# KiCad board Europe-ergo.kicad_pcb (continued)
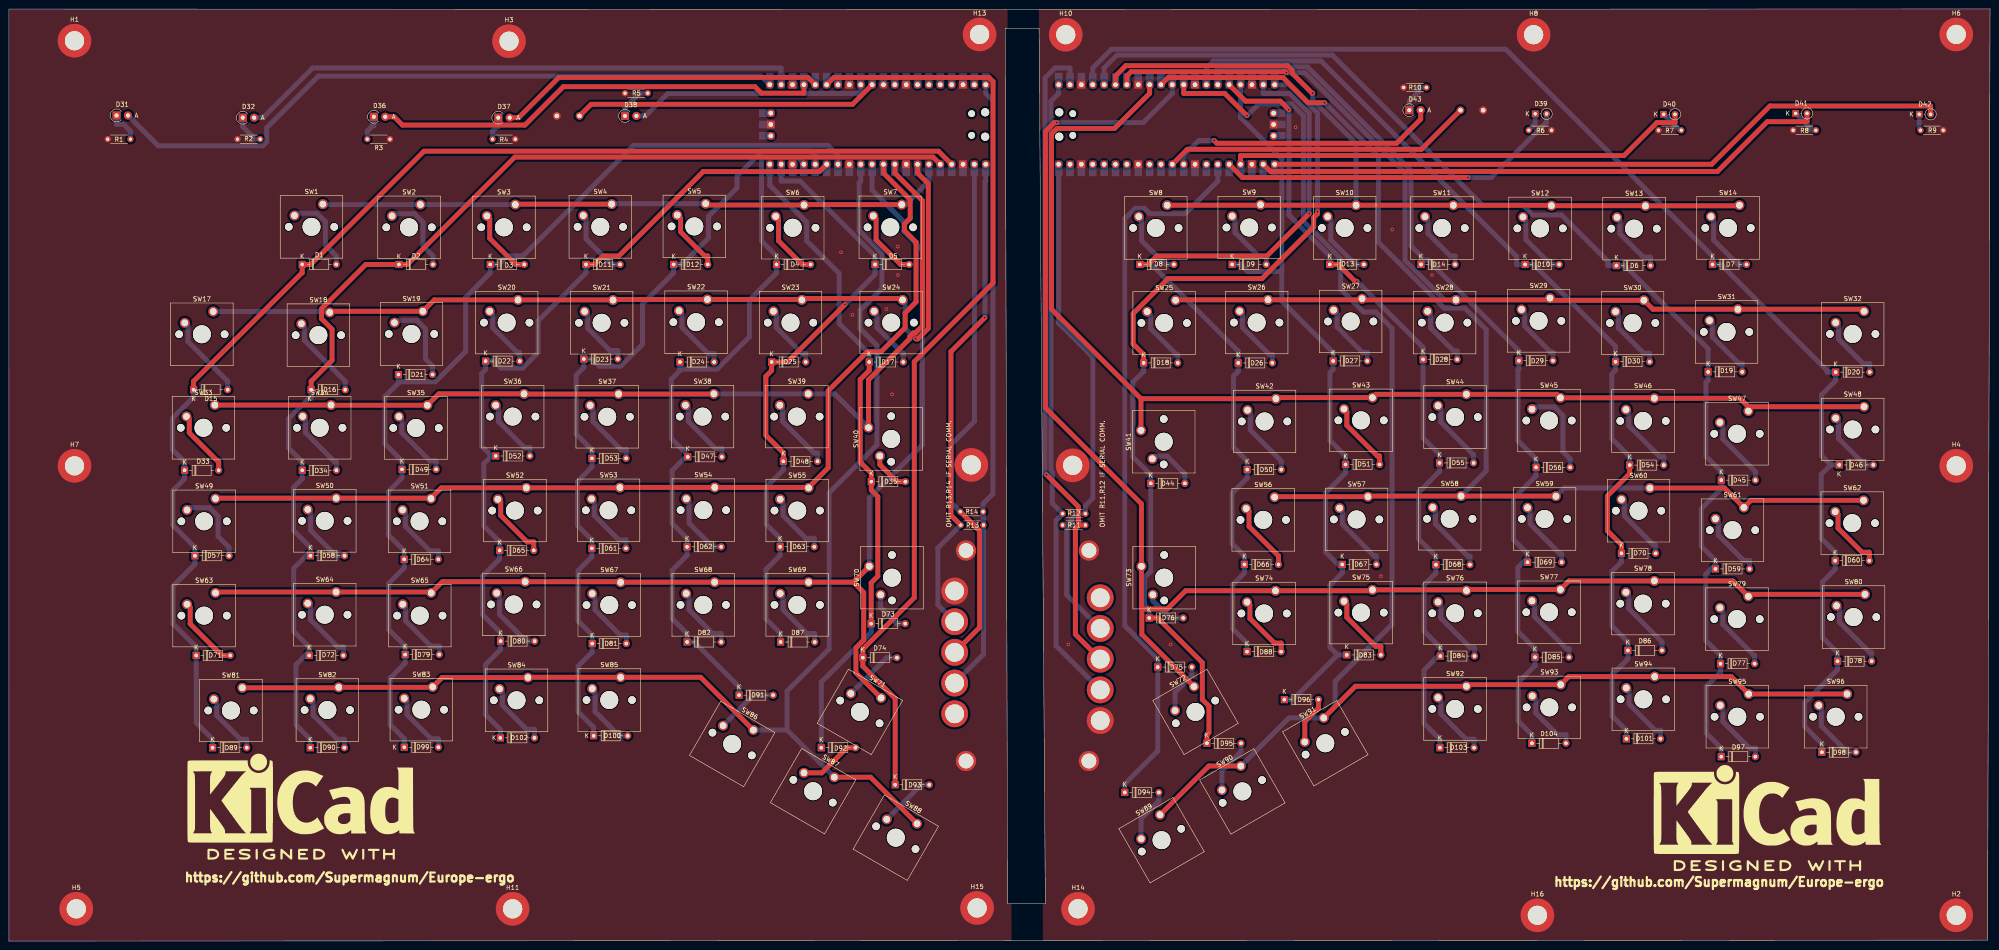
[diagram p0: board, top side]
## Nets
GNDL: H1.1 H3.1 H5.1 H7.1 H9.1 H11.1 H13.1 H15.1 J2.1 J2.6 J2.7 R1.1 R2.1 R3.1 R4.1 R5.1 SW15.2 U1.3 U1.8 U1.13 U1.18 U1.23 U1.28 U1.31 U1.33 U1.38 U1.42
GNDR: H2.1 H4.1 H6.1 H8.1 H10.1 H12.1 H14.1 H16.1 J1.1 J1.6 J1.7 R6.2 R7.2 R8.2 R9.2 R10.1 SW16.2 U2.3 U2.8 U2.13 U2.18 U2.23 U2.28 U2.33 U2.38 U2.42
VCCL: J2.4 R13.2 R14.2 U1.40
VCCR: J1.4 R11.2 R12.2 U2.40
/RUN: SW16.1 U2.30
Arrow-Left: D74.1 D93.1 U1.26
Arrow-Right: D75.1 D94.1 U2.26
COL1: D1.1 D15.1 D33.1 D57.1 D71.1 D89.1 U1.4
COL1R: D7.1 D20.1 D46.1 D60.1 D78.1 D98.1 U2.4
COL2: D2.1 D16.1 D34.1 D58.1 D72.1 D90.1 U1.5
COL2R: D6.1 D19.1 D45.1 D59.1 D77.1 D97.1 U2.5
COL3: D3.1 D21.1 D49.1 D64.1 D79.1 D99.1 U1.14
COL3R: D10.1 D30.1 D54.1 D70.1 D86.1 D101.1 U2.14
COL4: D11.1 D22.1 D52.1 D65.1 D80.1 D102.1 U1.15
COL4R: D14.1 D29.1 D56.1 D69.1 D85.1 D104.1 U2.15
COL5: D12.1 D23.1 D53.1 D61.1 D81.1 D100.1 U1.16
COL5R: D13.1 D28.1 D55.1 D68.1 D84.1 D103.1 U2.16
COL6: D4.1 D24.1 D47.1 D62.1 D82.1 D91.1 U1.17
COL6R: D9.1 D27.1 D51.1 D67.1 D83.1 D96.1 U2.17
COL7: D5.1 D25.1 D48.1 D63.1 D87.1 U1.19
COL7R: D8.1 D26.1 D50.1 D66.1 D88.1 U2.19
COL8: D17.1 D35.1 D73.1 D92.1 U1.20
COL8R: D18.1 D44.1 D76.1 D95.1 U2.20
PWM1: D31.2 U1.21
PWM1R: D42.2 U2.21
PWM2: D32.2 U1.22
PWM2R: D41.2 U2.22
PWM3: D36.2 U1.24
PWM3R: D40.2 U2.24
PWM4: D37.2 U1.25
PWM4R: D39.2 U2.25
PWM5: D38.2 U1.29
PWM5R: D43.2 U2.29
ROW1: SW1.1 SW2.1 SW3.1 SW4.1 SW5.1 SW6.1 SW7.1 U1.6
ROW1R: SW8.1 SW9.1 SW10.1 SW11.1 SW12.1 SW13.1 SW14.1 U2.6
ROW2: SW17.1 SW18.1 SW19.1 SW20.1 SW21.1 SW22.1 SW23.1 SW24.1 U1.7
ROW2R: SW25.1 SW26.1 SW27.1 SW28.1 SW29.1 SW30.1 SW31.1 SW32.1 U2.7
ROW3: SW33.1 SW34.1 SW35.1 SW36.1 SW37.1 SW38.1 SW39.1 SW40.1 U1.9
ROW3R: SW41.1 SW42.1 SW43.1 SW44.1 SW45.1 SW46.1 SW47.1 SW48.1 U2.9
ROW4: SW49.1 SW50.1 SW51.1 SW52.1 SW53.1 SW54.1 SW55.1 U1.10
ROW4R: SW56.1 SW57.1 SW58.1 SW59.1 SW60.1 SW61.1 SW62.1 U2.10
ROW5: SW63.1 SW64.1 SW65.1 SW66.1 SW67.1 SW68.1 SW69.1 SW70.1 SW71.1 U1.11
ROW5R: SW72.1 SW73.1 SW74.1 SW75.1 SW76.1 SW77.1 SW78.1 SW79.1 SW80.1 U2.11
ROW6: SW81.1 SW82.1 SW83.1 SW84.1 SW85.1 SW86.1 SW87.1 SW88.1 U1.12
ROW6R: SW89.1 SW90.1 SW91.1 SW92.1 SW93.1 SW94.1 SW95.1 SW96.1 U2.12
SCL I2C0: J2.3 R14.1 U1.2
sclR: J1.3 R11.1 U2.2
SDA I2C0: J2.2 R13.1 U1.1
sdaR: J1.2 R12.1 U2.1
Net-(D1-A): D1.2 SW1.2
Net-(D2-A): D2.2 SW2.2
Net-(D3-A): D3.2 SW3.2
Net-(D4-A): D4.2 SW6.2
Net-(D5-A): D5.2 SW7.2
Net-(D6-A): D6.2 SW13.2
Net-(D7-A): D7.2 SW14.2
Net-(D8-A): D8.2 SW8.2
Net-(D9-A): D9.2 SW9.2
Net-(D10-A): D10.2 SW12.2
Net-(D11-A): D11.2 SW4.2
Net-(D12-A): D12.2 SW5.2
Net-(D13-A): D13.2 SW10.2
Net-(D14-A): D14.2 SW11.2
Net-(D15-A): D15.2 SW17.2
Net-(D16-A): D16.2 SW18.2
Net-(D17-A): D17.2 SW24.2
Net-(D18-A): D18.2 SW25.2
Net-(D19-A): D19.2 SW31.2
Net-(D20-A): D20.2 SW32.2
Net-(D21-A): D21.2 SW19.2
Net-(D22-A): D22.2 SW20.2
Net-(D23-A): D23.2 SW21.2
Net-(D24-A): D24.2 SW22.2
Net-(D25-A): D25.2 SW23.2
Net-(D26-A): D26.2 SW26.2
Net-(D27-A): D27.2 SW27.2
Net-(D28-A): D28.2 SW28.2
Net-(D29-A): D29.2 SW29.2
Net-(D30-A): D30.2 SW30.2
Net-(D31-K): D31.1 R1.2
Net-(D32-K): D32.1 R2.2
Net-(D33-A): D33.2 SW33.2
Net-(D34-A): D34.2 SW34.2
Net-(D35-A): D35.2 SW40.2
Net-(D36-K): D36.1 R3.2
Net-(D37-K): D37.1 R4.2
Net-(D38-K): D38.1 R5.2
Net-(D39-K): D39.1 R6.1
Net-(D40-K): D40.1 R7.1
Net-(D41-K): D41.1 R8.1
Net-(D42-K): D42.1 R9.1
Net-(D43-K): D43.1 R10.2
Net-(D44-A): D44.2 SW41.2
Net-(D45-A): D45.2 SW47.2
Net-(D46-A): D46.2 SW48.2
Net-(D47-A): D47.2 SW38.2
Net-(D48-A): D48.2 SW39.2
Net-(D49-A): D49.2 SW35.2
Net-(D50-A): D50.2 SW42.2
Net-(D51-A): D51.2 SW43.2
Net-(D52-A): D52.2 SW36.2
Net-(D53-A): D53.2 SW37.2
Net-(D54-A): D54.2 SW46.2
Net-(D55-A): D55.2 SW44.2
Net-(D56-A): D56.2 SW45.2
Net-(D57-A): D57.2 SW49.2
Net-(D58-A): D58.2 SW50.2
Net-(D59-A): D59.2 SW61.2
Net-(D60-A): D60.2 SW62.2
Net-(D61-A): D61.2 SW53.2
Net-(D62-A): D62.2 SW54.2
Net-(D63-A): D63.2 SW55.2
Net-(D64-A): D64.2 SW51.2
Net-(D65-A): D65.2 SW52.2
Net-(D66-A): D66.2 SW56.2
Net-(D67-A): D67.2 SW57.2
Net-(D68-A): D68.2 SW58.2
Net-(D69-A): D69.2 SW59.2
Net-(D70-A): D70.2 SW60.2
Net-(D71-A): D71.2 SW63.2
Net-(D72-A): D72.2 SW64.2
Net-(D73-A): D73.2 SW70.2
Net-(D74-A): D74.2 SW71.2
Net-(D75-A): D75.2 SW72.2
Net-(D76-A): D76.2 SW73.2
Net-(D77-A): D77.2 SW79.2
Net-(D78-A): D78.2 SW80.2
Net-(D79-A): D79.2 SW65.2
Net-(D80-A): D80.2 SW66.2
Net-(D81-A): D81.2 SW67.2
Net-(D82-A): D82.2 SW68.2
Net-(D83-A): D83.2 SW75.2
Net-(D84-A): D84.2 SW76.2
Net-(D85-A): D85.2 SW77.2
Net-(D86-A): D86.2 SW78.2
Net-(D87-A): D87.2 SW69.2
Net-(D88-A): D88.2 SW74.2
Net-(D89-A): D89.2 SW81.2
Net-(D90-A): D90.2 SW82.2
Net-(D91-A): D91.2 SW86.2
Net-(D92-A): D92.2 SW87.2
Net-(D93-A): D93.2 SW88.2
Net-(D94-A): D94.2 SW89.2
Net-(D95-A): D95.2 SW90.2
Net-(D96-A): D96.2 SW91.2
Net-(D97-A): D97.2 SW95.2
Net-(D98-A): D98.2 SW96.2
Net-(D99-A): D99.2 SW83.2
Net-(D100-A): D100.2 SW85.2
Net-(D101-A): D101.2 SW94.2
Net-(D102-A): D102.2 SW84.2
Net-(D103-A): D103.2 SW92.2
Net-(D104-A): D104.2 SW93.2
Net-(U1-RUN): SW15.1 U1.30

Pads without a net: J1 5; J2 5; U1 27 32 34 35 36 37 39 41 43; U2 27 31 32 34 35 36 37 39 41 43

## Via types
v1: diameter 0.8, hole 0.4, Top to Bottom, 27 vias

## Routing (per net, layer and track width the routed paths; a pad name or vN(x,y) marks a point on that pad's centre or on a via; arc(x,y) is an arc through that point)
GNDL:
  vias: v1(185.93,153.92) v1(188.47,139.95) v1(196.09,141.22) v1(197.36,122.17) v1(198.63,155.19) v1(198.63,148.84)
GNDR:
  vias: v1(236.73,66.29) v1(259.59,66.29) v1(287.53,181.86) v1(306.58,81.53) v1(309.12,159) v1(318.01,148.84)
VCCL: length 138
  Bottom w1.1: J2.4 217.77,64.09 R13.2 217.77,94.76 217.68,94.85 R14.2 217.68,97.74 219.88,99.95 219.88,187.82 218.28,189.42 U1.40
VCCR: length 114.9
  Bottom w1.1: 236.36,92.96 237.26,92.96 237.26,94.02 238.74,95.5 R12.2 240.54,97.3 242.21,98.98 242.21,130.47 234.57,138.11 U2.40 ; 236.36,92.96 R11.2 ; 236.36,92.96 236.36,77.35 J1.4
/RUN: length 69.4
  Top w1.1: U2.30 263.32,176.94 315.62,176.94 SW16.1
Arrow-Left: length 210.4
  Top w1.1: D93.1 198.04,54.19 190.81,61.42 D74.1 190.81,65.22 202.31,76.72 202.31,129.47 219.91,147.07 219.91,192.07 218.98,192.99 184.34,192.99 U1.26
Arrow-Right: length 163.4
  Bottom w1.1: U2.26 270.13,169.84 262.83,162.54 254.97,162.54 253.74,163.77 251.69,163.77 249.34,161.42 249.34,70.5 256.71,63.13 D75.1 256.71,42.47 249.34,35.1 D94.1
COL1: length 287
  Top w1.1: D15.1 41.26,125.1 65.46,149.3 65.53,149.3 D1.1 67.43,151.2 92.74,176.52 207.73,176.52 U1.4
  Bottom w1.1: D15.1 41.26,121.3 41.02,121.3 36.51,116.79 36.51,109.84 39.25,107.1 D33.1 39.25,103.3 36.62,100.68 36.62,92.94 41.56,88 D57.1 41.56,84.2 36.67,79.32 36.67,70.9 41.85,65.72 D71.1 41.85,48.76 45.51,45.1 D89.1
COL1R: length 301.1
  Bottom w1.1: 407.1,106.4 405.04,108.46 405.04,122.09 408.19,125.24 D20.1 406.29,127.14 406.29,127.48 382.57,151.2 D7.1 380.67,153.1 334.46,199.31 246.38,199.31 242.19,195.12 U2.4 ; 407.1,106.4 D46.1 ; 407.1,106.4 404.97,104.27 404.97,90.02 408.09,86.9 D60.1 408.09,83.1 405.25,80.26 405.25,67.82 408.62,64.44 D78.1 408.62,60.64 401.26,53.28 401.26,47.96 405.12,44.1 D98.1
COL2: length 267.4
  Top w1.1: U1.5 206.5,175.2 113.05,175.2 89.05,151.2 D2.1 79.75,151.2 69.83,141.29 69.83,139.09 72.2,136.72 72.2,129.78 67.53,125.1 D16.1
  Bottom w1.1: 67.37,87.05 63.62,83.31 63.62,69.21 67.11,65.72 67.11,64.74 ; 67.37,87.05 67.37,88 63.6,91.77 63.6,101.36 65.55,103.3 D34.1 65.55,107.1 62.5,110.15 62.5,116.75 67.05,121.3 67.53,121.3 D16.1 ; 67.37,87.05 D58.1 ; 67.11,64.74 64.14,61.76 64.14,48.31 67.34,45.1 D90.1 ; 67.11,64.74 D72.1
COL2R: length 269.6
  Bottom w1.1: D59.1 381.34,84.11 ; 381.34,84.11 381.34,85.06 378.15,88.25 378.15,96.61 382.65,101.1 D45.1 382.65,104.9 379.21,108.34 379.21,124.8 379.71,125.3 D19.1 379.71,132.33 361.1,150.94 D6.1 357.3,150.94 357.3,151.89 346.93,162.27 340.5,162.27 338.32,164.44 329.28,164.44 295.72,198 247.61,198 244.73,195.12 U2.5 ; 381.34,84.11 379.16,81.94 379.16,67.19 382.47,63.88 D77.1 382.47,60.08 379.28,56.89 379.28,46.47 382.64,43.1 D97.1
COL3: length 226
  Bottom w1.1: 87.05,125.65 87.05,124.7 84,121.65 84,111.15 87.84,107.3 D49.1 87.84,103.5 84.81,100.48 84.81,90.72 88.33,87.2 D64.1 88.33,83.4 84.85,79.93 84.85,69.61 88.54,65.92 D79.1 88.54,62.12 85.18,58.76 85.18,48.38 88.35,45.2 D99.1 ; 87.05,125.65 87.72,124.98 95.28,124.98 102.06,131.77 102.06,143.82 107.55,149.3 D3.1 109.45,151.2 111.35,153.1 114.88,153.1 139.58,177.81 182.99,177.81 185.26,175.54 U1.14 ; 87.05,125.65 D21.1
COL3R: length 221.5
  Top w1.1: D54.1 362.17,104.46 357.18,99.48 357.18,91.69 360.34,88.54 D70.1
  Bottom w1.1: D101.1 361.44,47.1 358.24,50.3 358.24,59.52 361.77,63.04 D86.1 361.77,66.84 358.21,70.4 358.21,82.61 360.34,84.74 D70.1 ; D54.1 362.17,108.26 358.17,112.26 358.17,126.72 359.01,127.56 D30.1 359.01,132.89 340.7,151.2 D10.1 336.9,151.2 336.9,152.99 293.21,196.67 269.14,196.67 267.59,195.12 U2.14
COL4: length 195.6
  Top w1.1: U1.15 181.09,171.96 155.13,171.96 136.28,153.1 132.75,153.1 130.85,151.2 D11.1
  Bottom w1.1: 107.83,108.4 106.11,106.68 106.11,92.75 109.66,89.2 D65.1 109.66,85.4 105.86,81.6 105.86,72.92 109.85,68.92 D80.1 109.85,65.12 106.48,61.76 106.48,50.63 109.81,47.3 D102.1 ; 107.83,108.4 D52.1 ; 107.83,108.4 105.64,110.6 105.64,126.83 106.51,127.7 D22.1 108.41,129.6 109.98,128.04 114.76,128.04 118.26,131.53 118.26,138.62 128.95,149.3 D11.1
COL4R: length 207.9
  Bottom w1.1: 315.54,152.15 315.54,153.1 313.29,155.35 313.29,172.21 290.15,195.35 270.36,195.35 270.13,195.12 U2.15 ; 315.54,152.15 D14.1 ; 315.54,152.15 317.15,152.15 337.41,131.9 D29.1 337.41,127.8 337.19,127.58 337.19,111.82 341.25,107.76 D56.1 341.25,103.96 336.21,98.92 336.21,89.71 339.35,86.56 339.35,85.61 ; 339.35,85.61 D69.1 ; 339.35,85.61 337.17,83.43 337.17,69.18 341.01,65.34 D85.1 341.01,61.54 337.25,57.79 337.25,49.17 340.32,46.1 D104.1
COL5: length 179.8
  Bottom w1.1: U1.16 180.18,175.54 179.21,176.5 168.26,176.5 162.7,170.94 162.7,168.32 156.32,161.94 156.32,157.1 150.43,151.2 D12.1 148.53,149.3 141.58,142.35 141.58,133.35 136.7,128.47 131.94,128.47 130.35,130.06 D23.1 128.45,128.16 126.75,126.47 126.75,113.3 130.29,109.76 D53.1 130.29,105.96 127.04,102.71 127.04,92.89 130.26,89.66 D61.1 130.26,85.86 127.18,82.79 127.18,71.54 130.34,68.38 D81.1 130.34,64.58 127.19,61.43 127.19,51.22 130.65,47.76 D100.1
COL5R: length 183.2
  Top w1.1: v1(301.21,147.46) 300.79,147.46 297.05,151.2 D13.1 ; U2.16 276.34,187.7 284.1,187.7 v1(286.02,185.79)
  Bottom w1.1: v1(301.21,147.46) 316.01,132.66 D28.1 316.01,112.4 319.67,108.74 D55.1 319.67,104.94 315.02,100.3 315.02,89.84 318.86,86 D68.1 318.86,82.2 316.2,79.55 316.2,69.25 319.87,65.58 319.87,64.19 ; D103.1 319.77,45.1 316.2,48.67 316.2,60.53 319.87,64.19 ; D84.1 319.87,64.19 ; D13.1 295.15,153.1 286.02,162.24 v1(286.02,185.79)
COL6: length 161.2
  Bottom w1.1: D24.1 149.95,127.98 ; 151.69,108.62 148,112.31 148,125.55 149.95,127.5 149.95,127.98 ; 151.69,108.62 148.18,105.12 148.18,93.36 151.54,90 D62.1 151.54,86.2 148.2,82.87 148.2,72.05 151.53,68.72 D82.1 153.43,66.82 153.43,66.57 163.15,56.85 D91.1 ; 151.69,108.62 D47.1 ; 149.95,127.98 150.09,127.83 158.28,127.83 165.46,135.01 165.46,143.23 171.53,149.3 D4.1 171.53,153.1 168.16,156.48 168.16,174.49 168.86,175.19 176.26,175.19 177.64,173.81 U1.17
COL6R: length 173.7
  Bottom w1.1: 296.89,63.94 295.2,65.64 295.2,79.51 297.95,82.26 297.95,83.21 ; 296.89,63.94 D83.1 ; 296.89,63.94 286.91,53.96 D96.1 ; 297.95,83.21 D67.1 ; 297.95,83.21 294.21,86.95 294.21,100.15 298.67,104.6 D51.1 298.67,108.4 295.19,111.88 295.19,127.02 295.91,127.74 D27.1 295.91,131.54 284.42,143.03 284.42,149.63 ; D9.1 275.24,151.2 276.81,149.63 284.42,149.63 ; 284.42,149.63 284.43,149.64 284.43,174.83 275.21,184.05 U2.17
COL7: length 137.3
  Top w1.1: D48.1 173.07,109.1 169.14,113.04 169.14,126.21 170.43,127.5 D25.1 173.95,129.4 v1(186.84,142.29)
  Bottom w1.1: v1(186.84,142.29) 193.53,148.98 D5.1 193.53,153.1 176.79,169.84 172.56,169.84 U1.19 ; D48.1 173.07,105.3 169.21,101.45 169.21,93.13 172.34,90 D63.1 172.34,86.2 169.16,83.02 169.16,71.99 172.43,68.72 D87.1
COL7R: length 182.9
  Top w1.1: D8.1 254.6,151.2 256.5,153.1 281.1,153.1 v1(290.55,162.56)
  Bottom w1.1: v1(290.55,162.56) 290.55,185.01 286.14,189.42 280.29,189.42 U2.19 ; D8.1 255.31,151.2 274.71,131.81 D26.1 274.71,127.3 273.65,126.24 273.65,110.32 276.7,107.26 D50.1 276.7,103.46 273.32,100.08 273.32,88.82 276.08,86.06 D66.1 276.08,82.26 273.47,79.66 273.47,69.77 276.67,66.58 D88.1
COL8: length 147.3
  Top w1.1: D73.1 192.67,80.05 194.16,81.54 194.16,99.32 192.71,100.76 D35.1 192.71,104.56 190.22,107.06 190.22,125.49 192.23,127.5 D17.1
  Bottom w1.1: D17.1 192.23,131.3 185.53,138 185.53,149.2 178.26,156.47 178.26,160.66 170.02,168.9 U1.20 ; D73.1 192.67,69.02 181.53,57.88 D92.1
COL8R: length 193.9
  Top w1.1: v1(292.41,163.01) 292.41,162.54 291.56,161.69 291.56,159.6 280.01,148.05 259.02,148.05 251.21,140.24 251.21,133.44 253.56,131.1 D18.1 ; D76.1 256.69,72.2 266.67,62.22 266.67,53.96 268.15,52.48 268.15,46.56 267.7,46.1 D95.1
  Bottom w1.1: D76.1 254.79,74.1 253.71,75.18 253.71,81.2 255.15,82.63 D44.1 255.15,104.18 251.12,108.22 251.12,124.86 253.56,127.3 D18.1 ; U2.20 286.07,191.37 292.41,185.03 v1(292.41,163.01)
PWM1: length 155.3
  Bottom w1.1: D31.2 33.37,177.72 56.71,177.72 57.6,178.6 57.6,181.75 69.14,193.29 168.09,193.29 U1.21
PWM1R: length 153.8
  Top w1.1: U2.21 380.47,173.59 393.49,186.61 429.42,186.61 D42.2
PWM2: length 126.1
  Bottom w1.1: U1.22 172.56,195.12 67.9,195.12 56.79,184 D32.2
PWM2R: length 128.6
  Top w1.1: D41.2 401.8,183.11 392.92,183.11 381.79,171.99 281.89,171.99 U2.22
PWM3: length 100.4
  Top w1.1: D36.2 86.09,184.2 87.94,182.35 115.3,182.35 123.88,190.94 166.7,190.94 168.15,189.48 177.64,189.48 U1.24
PWM3R: length 103.9
  Top w1.1: D40.2 372.3,182.91 368.26,182.91 360.88,175.54 275.21,175.54 U2.24
PWM4: length 72.7
  Top w1.1: D37.2 113.89,184 122.89,193 178.55,193 U1.25
PWM4R: length 79.1
  Top w1.1: v1(326.03,170.64) 275.62,170.64 U2.25
  Bottom w1.1: v1(326.03,170.64) 331.22,170.64 343.6,183.01 D39.2
PWM5: length 54.2
  Bottom w1.1: D38.2 142.21,184.4 147.22,189.42 190.34,189.42 U1.29
PWM5R: length 60.8
  Top w1.1: D43.2 315.47,183.67 310.08,178.28 269.93,178.28 v1(269.3,178.91)
  Bottom w1.1: v1(269.3,178.91) 265.88,178.91 262.51,175.54 U2.29
ROW1: length 141.6
  Top w1.1: SW5.1 155.99,164.48 SW6.1 177.79,164.58 SW7.1 ; SW3.1 113.25,164.68 SW4.1
  Bottom w1.1: SW3.1 SW2.1 70.25,164.58 SW1.1 ; SW7.1 200.32,164.58 205.58,169.84 U1.6 ; SW5.1 134.79,164.78 SW4.1
ROW1R: length 207.1
  Top w1.1: SW8.1 279.59,164.44 SW9.1 279.79,164.44 SW10.1 322.75,164.44 SW11.1 344.61,164.42 SW12.1 365.66,164.34 365.69,164.31 ; U2.6 247.27,193.32 249.59,195.64 285.72,195.64 286.76,194.59 286.76,193.92 291.2,189.48 v1(291.34,189.48) ; 365.69,164.31 SW13.1 ; 365.69,164.31 386.56,164.31 SW14.1
  Bottom w1.1: v1(291.34,189.48) 291.34,187.94 301.03,178.25 SW10.1
ROW2: length 207
  Top w1.1: SW18.1 71.95,140.74 SW19.1 95.04,143.28 SW20.1 134.95,143.28 SW21.1 135.13,143.38 SW22.1 177.09,143.38 SW23.1 177.51,143.6 199.37,143.6 SW24.1 ; U1.7 203.04,171.64 205.45,169.23 205.45,136.94 203.08,134.58 v1(202.61,134.58)
  Bottom w1.1: SW18.1 71.49,140.68 SW17.1 ; SW24.1 200.26,142.71 200.26,136.92 v1(202.61,134.58)
ROW2R: length 264
  Top w1.1: SW25.1 260.79,143.3 SW26.1 302.12,143.3 SW27.1 302.62,143.28 SW28.1 343.97,143.28 SW29.1 344.83,143.2 SW30.1 367.36,141.2 SW31.1 414.08,141.2 SW32.1 ; U2.7 249.81,193.32 250.77,194.28 285.23,194.28 v1(285.46,194.05)
  Bottom w1.1: SW28.1 320.79,143.28 311.99,152.09 311.99,171.67 289.61,194.05 v1(285.46,194.05)
ROW3: length 217
  Top w1.1: U1.9 197.96,171.64 204.13,165.47 204.13,137.47 202.54,135.88 202.07,135.88 201.31,135.12 201.31,134.64 192.07,125.4 SW40.1 ; SW33.1 SW34.1 72.03,119.74 SW35.1 96.04,122.28 SW36.1 115.15,122.24 SW37.1 157.49,122.24 SW38.1
  Bottom w1.1: SW40.1 184.53,122.28 SW39.1 SW38.1
ROW3R: length 266.2
  Top w1.1: 252.97,121.2 SW42.1 283.36,121.44 SW43.1 305.43,122.18 SW44.1 345.91,122.18 SW45.1 367.59,121.4 SW46.1 386.79,121.3 388.69,119.4 ; 252.97,121.2 SW41.1 ; 252.97,121.2 232.96,141.22 232.96,180.35 234.21,181.61 247.08,181.61 254.89,189.42 U2.9 ; 388.69,119.4 SW47.1 ; 388.69,119.4 SW48.1
ROW4: length 221.8
  Top w1.1: 178.69,101.38 183.06,105.75 183.06,122.95 191.8,131.7 194.89,131.7 200.26,137.07 200.26,140.38 202.7,142.82 202.7,156.18 200.12,158.76 200.12,160.27 201.4,161.55 201.4,165.66 195.42,171.64 U1.10 ; 178.69,101.38 SW54.1 136.57,101.38 SW53.1 136.47,101.28 SW52.1 96.6,101.28 94.3,98.98 ; 178.69,101.38 SW55.1 ; 94.3,98.98 SW50.1 46.25,98.98 SW49.1 ; 94.3,98.98 SW51.1
ROW4R: length 282.4
  Top w1.1: SW59.1 345.65,99.44 SW58.1 303.83,99.44 SW57.1 282.92,99.3 SW56.1 ; SW60.1 383.35,101.24 SW61.1 389.27,98.48 SW62.1 ; U2.10 259.04,192.98 284.69,192.98 290.33,187.34 v1(294.01,187.34)
  Bottom w1.1: v1(294.01,187.34) 306.02,175.34 306.02,156.16 320.75,141.43 325.34,141.43 330.11,136.66 330.11,105.06 SW58.1 ; SW59.1 347.53,101.24 SW60.1
ROW5: length 278.1
  Top w1.1: SW63.1 46.35,78 SW64.1 94.15,78 SW65.1 96.85,80.3 SW66.1 136.55,80.3 SW67.1 136.73,80.2 SW68.1 SW69.1 188.71,80.2 ; SW71.1 189.26,59.96 189.26,65.51 191.01,67.26 191.01,77.9 188.71,80.2 ; 188.71,80.2 SW70.1
  Bottom w1.1: U1.11 192.88,167.84 199.95,160.76 199.95,158.55 204.1,154.41 204.1,110.88 192.25,99.03 SW70.1
ROW5R: length 337.5
  Top w1.1: SW80.1 389.15,77.48 SW79.1 385.23,80.48 SW78.1 348.61,80.48 SW77.1 325.93,78.56 SW76.1 325.53,78.48 SW75.1 304.49,78.28 SW74.1 262.93,78.28 258.87,74.22 253.16,74.22 ; v1(234.14,182.91) 233.62,182.91 231.62,180.91 231.62,119.14 253.07,97.7 SW73.1 253.07,74.31 253.16,74.22 ; 253.16,74.22 253.16,68.52 SW72.1
  Bottom w1.1: U2.11 259.97,189.42 253.46,182.91 v1(234.14,182.91)
ROW6: length 305.9
  Top w1.1: SW87.1 192.53,36.61 SW88.1 ; SW81.1 73.59,56.6 SW82.1 94.61,56.7 SW83.1 96.79,58.88 SW84.1 116.03,58.94 SW85.1 154.57,58.94 SW86.1
  Bottom w1.1: SW86.1 173.88,47.16 ; 173.88,47.16 SW87.1 ; 173.88,47.16 173.88,55.87 183.28,65.27 183.28,100.21 193.96,110.89 193.96,133.1 190.19,136.86 190.19,140.97 195.08,145.85 195.08,153.67 189.98,158.77 189.98,169.48 190.34,169.84 U1.12
ROW6R: length 351.6
  Top w1.1: U2.12 262.51,189.42 271.68,189.42 v1(276.65,184.45) ; SW91.1 300.88,56.94 SW92.1 326.05,57.3 SW93.1 348.56,59.1 SW94.1 384.86,59.1 SW95.1 SW96.1 ; SW90.1 268.12,39.11 SW89.1
  Bottom w1.1: v1(276.65,184.45) 279.32,187.11 286.58,187.11 289.25,184.44 289.25,160.87 297.58,152.53 297.58,145.69 302.7,140.58 305.4,140.58 309.08,136.9 309.08,70.77 296.35,58.04 296.35,52.41 SW91.1 286.04,49.87 SW90.1
SCL I2C0: length 116.2
  Top w1.1: R14.1 216.9,91.64 216.9,70.09 J2.3
  Bottom w1.1: U1.2 215.74,116.14 210.54,110.95 210.54,98 R14.1
sclR: length 147.4
  Top w1.1: J1.3 238.3,68.55 238.3,92.29 238.98,92.96 ; v1(231.85,104.2) 238.98,97.08 238.98,92.96 ; 238.98,92.96 R11.1
  Bottom w1.1: v1(231.85,104.2) 231.53,104.52 231.53,192.9 233.75,195.12 237.11,195.12 U2.2
SDA I2C0: length 110
  Top w1.1: v1(218.08,139.32) 210.49,131.73 210.49,95.16 R13.1
  Bottom w1.1: v1(218.08,139.32) 218.08,169.65 218.28,169.84 U1.1 ; R13.1 207.57,87.85 207.57,75.13 J2.2
sdaR: length 141.7
  Bottom w1.1: J1.2 233.99,66 233.99,94.04 R12.1 233.15,97.81 233.15,104.74 232.83,105.06 232.83,187.69 234.57,189.42 U2.1
Net-(D1-A): length 18.5
  Bottom w1.1: SW1.2 64.3,162.65 68.82,162.65 70.72,160.74 70.72,155.53 73.15,153.1 D1.2
Net-(D2-A): length 18.3
  Bottom w1.1: SW2.2 86.1,162.55 90.62,162.55 92.52,160.64 92.52,155.35 94.77,153.1 D2.2
Net-(D3-A): length 15.4
  Top w1.1: SW3.2 107.43,161.41 107.43,157.04 113.27,151.2 D3.2
Net-(D4-A): length 15.1
  Top w1.1: SW6.2 171.97,161.31 171.97,156.48 177.25,151.2 D4.2
Net-(D5-A): length 15.3
  Top w1.1: D5.2 199.25,151.2 193.77,156.68 193.77,161.41 SW7.2
Net-(D6-A): length 14.8
  Bottom w1.1: SW13.2 359.97,161.11 359.97,158.07 365.2,152.84 366.82,152.84 D6.2
Net-(D7-A): length 15.1
  Bottom w1.1: SW14.2 380.92,161.32 380.92,156.67 386.39,151.2 D7.2
Net-(D8-A): length 15.1
  Bottom w1.1: SW8.2 253.1,161.27 253.1,156.52 258.42,151.2 D8.2
Net-(D9-A): length 15
  Bottom w1.1: D9.2 280.96,153.1 279.2,153.1 273.97,158.33 273.97,161.37 SW9.2
Net-(D10-A): length 15.1
  Bottom w1.1: SW12.2 338.97,161.17 338.97,156.75 344.52,151.2 D10.2
Net-(D11-A): length 15.5
  Bottom w1.1: SW4.2 128.97,161.51 128.97,156.9 134.67,151.2 D11.2
Net-(D12-A): length 14.3
  Top w1.1: D12.2 156.15,153.1 155.46,153.1 150.08,158.48 150.08,161.5 SW5.2
Net-(D13-A): length 15.2
  Bottom w1.1: D13.2 300.87,151.2 295.37,156.7 295.37,161.21 SW10.2
Net-(D14-A): length 14.1
  Bottom w1.1: D14.2 323.16,153.1 322.09,153.1 317.11,158.08 317.11,161.19 SW11.2
Net-(D15-A): length 18.9
  Bottom w1.1: D15.2 48.88,125.1 39.99,133.99 39.99,137.45 SW17.2
Net-(D16-A): length 18.8
  Bottom w1.1: D16.2 75.15,125.1 66.03,134.22 66.03,137.25 SW18.2
Net-(D17-A): length 14.1
  Bottom w1.1: D17.2 199.85,131.3 199.77,131.3 193.97,137.1 193.97,140.11 SW24.2
Net-(D18-A): length 14.5
  Bottom w1.1: SW25.2 255.11,139.89 255.11,136.87 260.88,131.1 261.18,131.1 D18.2
Net-(D19-A): length 15
  Bottom w1.1: D19.2 387.33,129.1 386.54,129.1 380.64,135 380.64,138.03 SW31.2
Net-(D20-A): length 15.1
  Bottom w1.1: SW32.2 408.83,137.57 408.83,134.54 414.33,129.04 415.81,129.04 D20.2
Net-(D21-A): length 18.8
  Bottom w1.1: D21.2 94.67,128.5 93.07,130.1 93.07,136.8 91.17,138.71 86.65,138.71 SW19.2
Net-(D22-A): length 14.2
  Bottom w1.1: SW20.2 108.11,140.05 108.11,137.03 113.64,131.5 114.13,131.5 D22.2
Net-(D23-A): length 14.7
  Bottom w1.1: D23.2 136.07,131.96 134.31,131.96 129.33,136.94 129.33,140.01 SW21.2
Net-(D24-A): length 15.5
  Bottom w1.1: D24.2 157.57,131.3 156.22,131.3 150.37,137.16 150.37,140.21 SW22.2
Net-(D25-A): length 14.8
  Bottom w1.1: SW23.2 171.47,140.11 171.47,137.09 177.26,131.3 178.05,131.3 D25.2
Net-(D26-A): length 15
  Bottom w1.1: SW26.2 275.64,140.14 275.64,137.1 281.64,131.1 282.33,131.1 D26.2
Net-(D27-A): length 15.1
  Bottom w1.1: D27.2 303.53,131.54 302.46,131.54 296.79,137.22 296.79,140.23 SW27.2
Net-(D28-A): length 14
  Bottom w1.1: D28.2 323.63,131.88 322.84,131.88 317.7,137.02 317.7,140.05 SW28.2
Net-(D29-A): length 14.6
  Bottom w1.1: D29.2 345.03,131.6 344.54,131.6 338.71,137.43 338.71,140.43 SW29.2
Net-(D30-A): length 15.1
  Bottom w1.1: D30.2 366.63,131.36 365.28,131.36 359.64,137 359.64,140.03 SW30.2
Net-(D31-K): length 7.5
  Bottom w1.1: D31.1 24.05,182.5 25.65,182.5 27.15,181 R1.2
Net-(D32-K): length 7.5
  Bottom w1.1: R2.2 54.35,179.2 54.35,179.9 52.25,182 D32.1
Net-(D33-A): length 15.1
  Top w1.1: D33.2 46.87,107.1 46.77,107.1 40.29,113.58 40.29,116.61 SW33.2
Net-(D34-A): length 15.4
  Bottom w1.1: SW34.2 66.27,116.61 66.27,113.61 72.77,107.1 73.17,107.1 D34.2
Net-(D35-A): length 9.2
  Top w1.1: D35.2 198.43,102.66 194.61,106.48 SW40.2
Net-(D36-K): length 5.8
  Bottom w1.1: R3.2 80.07,181 81.27,182.2 81.55,182.2 D36.1
Net-(D37-K): length 5.5
  Bottom w1.1: R4.2 108.07,181 109.07,182 109.35,182 D37.1
Net-(D38-K): length 8.4
  Bottom w1.1: R5.2 140.95,189.48 137.87,186.4 137.67,186.4 D38.1
Net-(D39-K): length 4.3
  Bottom w1.1: R6.1 341.06,182.65 D39.1
Net-(D40-K): length 5.4
  Bottom w1.1: D40.1 373.32,181.2 R7.1
Net-(D41-K): length 6.1
  Bottom w1.1: R8.1 403.02,181.2 D41.1
Net-(D42-K): length 3.7
  Bottom w1.1: R9.1 426.88,181.48 D42.1
Net-(D43-K): length 7.7
  Bottom w1.1: R10.2 314.94,190.75 314.94,189.68 312.93,187.67 D43.1
Net-(D44-A): length 11.3
  Bottom w1.1: D44.2 262.77,104.4 258.82,108.36 256.09,108.36 SW41.2
Net-(D45-A): length 16.2
  Bottom w1.1: D45.2 390.27,104.9 382.97,112.2 382.97,115.27 SW47.2
Net-(D46-A): length 15.1
  Bottom w1.1: SW48.2 408.83,116.23 408.83,112.3 414.72,106.4 D46.2
Net-(D47-A): length 15.8
  Bottom w1.1: SW38.2 151.81,119.11 151.81,116.12 157.83,110.1 159.31,110.1 D47.2
Net-(D48-A): length 16.5
  Bottom w1.1: SW39.2 172.89,119.11 172.89,116.11 179.9,109.1 180.69,109.1 D48.2
Net-(D49-A): length 16.1
  Bottom w1.1: D49.2 95.46,107.3 94.07,107.3 87.78,113.59 87.78,116.57 SW35.2
Net-(D50-A): length 16.4
  Bottom w1.1: SW42.2 277.4,118.03 277.4,114.18 284.32,107.26 D50.2
Net-(D51-A): length 16
  Top w1.1: D51.2 306.29,108.4 305.8,108.4 298.97,115.23 298.97,118.27 SW43.2
Net-(D52-A): length 15.2
  Bottom w1.1: SW36.2 109.39,119.11 109.39,116.1 115.19,110.3 116.4,110.3 D52.2
Net-(D53-A): length 15.8
  Bottom w1.1: D53.2 137.91,109.76 136.84,109.76 130.51,116.09 130.51,119.07 SW37.2
Net-(D54-A): length 16.4
  Bottom w1.1: SW46.2 361.97,118.13 361.97,115.15 368.86,108.26 369.79,108.26 D54.2
Net-(D55-A): length 16.2
  Bottom w1.1: D55.2 327.29,108.74 327.19,108.74 319.97,115.96 319.97,119.01 SW44.2
Net-(D56-A): length 20.2
  Bottom w1.1: D56.2 348.87,107.76 347.26,109.37 347.26,117.46 345.36,119.37 340.84,119.37 SW45.2
Net-(D57-A): length 17.8
  Bottom w1.1: D57.2 49.18,88 46.72,90.46 46.72,94.94 44.82,96.85 40.3,96.85 SW49.2
Net-(D58-A): length 14.9
  Bottom w1.1: SW50.2 67.4,95.81 67.4,91.79 73.09,86.1 D58.2
Net-(D59-A): length 15.1
  Bottom w1.1: D59.2 388.96,85.06 387.61,85.06 381.97,90.71 381.97,93.73 SW61.2
Net-(D60-A): length 15.1
  Top w1.1: D60.2 415.71,86.9 414.09,86.9 408.73,92.26 408.73,95.31 SW62.2
Net-(D61-A): length 15.2
  Bottom w1.1: SW53.2 130.81,98.17 130.81,95.11 136.26,89.66 137.88,89.66 D61.2
Net-(D62-A): length 15.1
  Bottom w1.1: D62.2 157.26,88.1 151.99,93.37 151.99,98.21 SW54.2
Net-(D63-A): length 14.9
  Bottom w1.1: SW55.2 172.97,98.11 172.97,95.09 178.06,90 179.96,90 D63.2
Net-(D64-A): length 15.5
  Bottom w1.1: D64.2 95.95,87.2 94.05,87.2 88.58,92.67 88.58,95.71 SW51.2
Net-(D65-A): length 15.6
  Top w1.1: D65.2 117.28,89.2 115.8,89.2 109.89,95.11 109.89,98.11 SW52.2
Net-(D66-A): length 15.5
  Top w1.1: SW56.2 277.1,96.03 277.1,92.66 283.7,86.06 D66.2
Net-(D67-A): length 16.3
  Bottom w1.1: SW57.2 297.97,96.13 297.97,93.14 305.05,86.06 305.57,86.06 D67.2
Net-(D68-A): length 16.5
  Bottom w1.1: SW58.2 318.78,96.27 318.78,93.21 325.99,86 326.48,86 D68.2
Net-(D69-A): length 15.6
  Bottom w1.1: D69.2 346.97,86.56 346.57,86.56 339.92,93.22 339.92,96.28 SW59.2
Net-(D70-A): length 15.5
  Bottom w1.1: SW60.2 360.97,98.07 360.97,95.03 367.47,88.54 367.96,88.54 D70.2
Net-(D71-A): length 16.6
  Top w1.1: SW63.2 40.49,74.57 40.49,70.9 47.57,63.82 D71.2
Net-(D72-A): length 15.7
  Bottom w1.1: SW64.2 67.39,74.83 67.39,71.8 73.47,65.72 74.73,65.72 D72.2
Net-(D73-A): length 9.9
  Bottom w1.1: D73.2 198.39,70.92 198.39,70.93 194.79,74.53 SW70.2
Net-(D74-A): length 13.6
  Bottom w1.1: SW71.2 196.13,63.32 D74.2
Net-(D75-A): length 11.3
  Bottom w1.1: SW72.2 260.58,55.58 264.33,59.33 D75.2
Net-(D76-A): length 9.7
  Bottom w1.1: D76.2 259.45,72.2 255.61,76.05 SW73.2
Net-(D77-A): length 15.8
  Bottom w1.1: SW79.2 382.97,73.85 382.97,70.8 389.89,63.88 390.09,63.88 D77.2
Net-(D78-A): length 15.9
  Bottom w1.1: D78.2 416.24,64.44 415.85,64.44 409.03,71.27 409.03,74.31 SW80.2
Net-(D79-A): length 15.7
  Bottom w1.1: SW65.2 88.63,74.63 88.63,71.55 94.26,65.92 96.16,65.92 D79.2
Net-(D80-A): length 15.4
  Bottom w1.1: D80.2 115.57,67.02 109.63,72.96 109.63,77.13 SW66.2
Net-(D81-A): length 15.1
  Bottom w1.1: SW67.2 130.97,76.99 130.97,73.98 136.57,68.38 137.96,68.38 D81.2
Net-(D82-A): length 15.2
  Bottom w1.1: SW68.2 151.97,77.03 151.97,74 157.25,68.72 159.15,68.72 D82.2
Net-(D83-A): length 16.1
  Top w1.1: SW75.2 298.97,75.31 298.97,72.31 305.44,65.84 306.57,65.84 D83.2
Net-(D84-A): length 16
  Bottom w1.1: SW76.2 319.97,75.15 319.97,72.17 326.56,65.58 327.49,65.58 D84.2
Net-(D85-A): length 16.4
  Bottom w1.1: SW77.2 340.92,75.44 340.92,72.46 348.04,65.34 348.63,65.34 D85.2
Net-(D86-A): length 16.3
  Bottom w1.1: SW78.2 361.97,77.31 361.97,74.26 369.39,66.84 D86.2
Net-(D87-A): length 15.1
  Bottom w1.1: D87.2 180.05,68.72 178.29,68.72 172.97,74.04 172.97,77.03 SW69.2
Net-(D88-A): length 15.1
  Top w1.1: SW74.2 277.3,75.11 277.3,72.08 282.81,66.58 284.29,66.58 D88.2
Net-(D89-A): length 14.7
  Bottom w1.1: D89.2 53.13,45.1 51.74,45.1 46.43,50.41 46.43,53.43 SW81.2
Net-(D90-A): length 15.1
  Bottom w1.1: D90.2 74.96,45.1 73.34,45.1 67.97,50.47 67.97,53.53 SW82.2
Net-(D91-A): length 14
  Bottom w1.1: SW86.2 166.39,54.95 D91.2
Net-(D92-A): length 13.8
  Top w1.1: D92.2 187.25,43.2 181.63,37.59 SW87.2
Net-(D93-A): length 12.8
  Bottom w1.1: SW88.2 203.76,34.81 203.76,34.92 D93.2
Net-(D94-A): length 12
  Bottom w1.1: SW89.2 252.99,27.33 256.96,31.3 D94.2
Net-(D95-A): length 12.2
  Bottom w1.1: D95.2 275.32,42.3 271.05,38.03 SW90.2
Net-(D96-A): length 10.7
  Top w1.1: D96.2 292.63,52.06 289.58,49.01 SW91.2
Net-(D97-A): length 15.5
  Bottom w1.1: D97.2 390.26,43.1 388.91,43.1 382.99,49.03 382.99,52.08 SW95.2
Net-(D98-A): length 15
  Bottom w1.1: D98.2 410.84,42.2 404.99,48.05 404.99,52.08 SW96.2
Net-(D99-A): length 15.1
  Bottom w1.1: SW83.2 88.97,53.61 88.97,50.58 94.35,45.2 95.97,45.2 D99.2
Net-(D100-A): length 14.9
  Bottom w1.1: SW85.2 130.97,55.77 130.97,51.26 136.37,45.86 D100.2
Net-(D101-A): length 15.2
  Bottom w1.1: D101.2 369.06,47.1 367.85,47.1 362.04,52.91 362.04,55.93 SW94.2
Net-(D102-A): length 15.2
  Bottom w1.1: D102.2 117.43,47.3 115.67,47.3 110.25,52.72 110.25,55.71 SW84.2
Net-(D103-A): length 15.6
  Bottom w1.1: D103.2 327.39,45.1 325.63,45.1 319.97,50.76 319.97,53.77 SW92.2
Net-(D104-A): length 14.8
  Bottom w1.1: SW93.2 341.19,53.98 341.19,50.95 346.04,46.1 347.94,46.1 D104.2
Net-(U1-RUN): length 68.3
  Top w1.1: SW15.1 130.09,186.98 188.49,186.98 U1.30

## Copper pours and planes (outline as drawn; the poured copper is in the pictures)
GNDL on Top, Bottom: 224.05,0.1 0.05,0.1 0.15,208.2 223.15,208.2
GNDR on Top, Bottom: 451.05,0.1 231.05,0.1 230.15,208.2 451.05,208.2

## Text on the board
F.Silkscreen: OMIT R13,R14 IF SERIAL COMM. | OMIT R11,R12 IF SERIAL COMM. | https://github.com/Supermagnum/Europe-ergo
